# KiCad board PC110.kicad_pcb (continued)
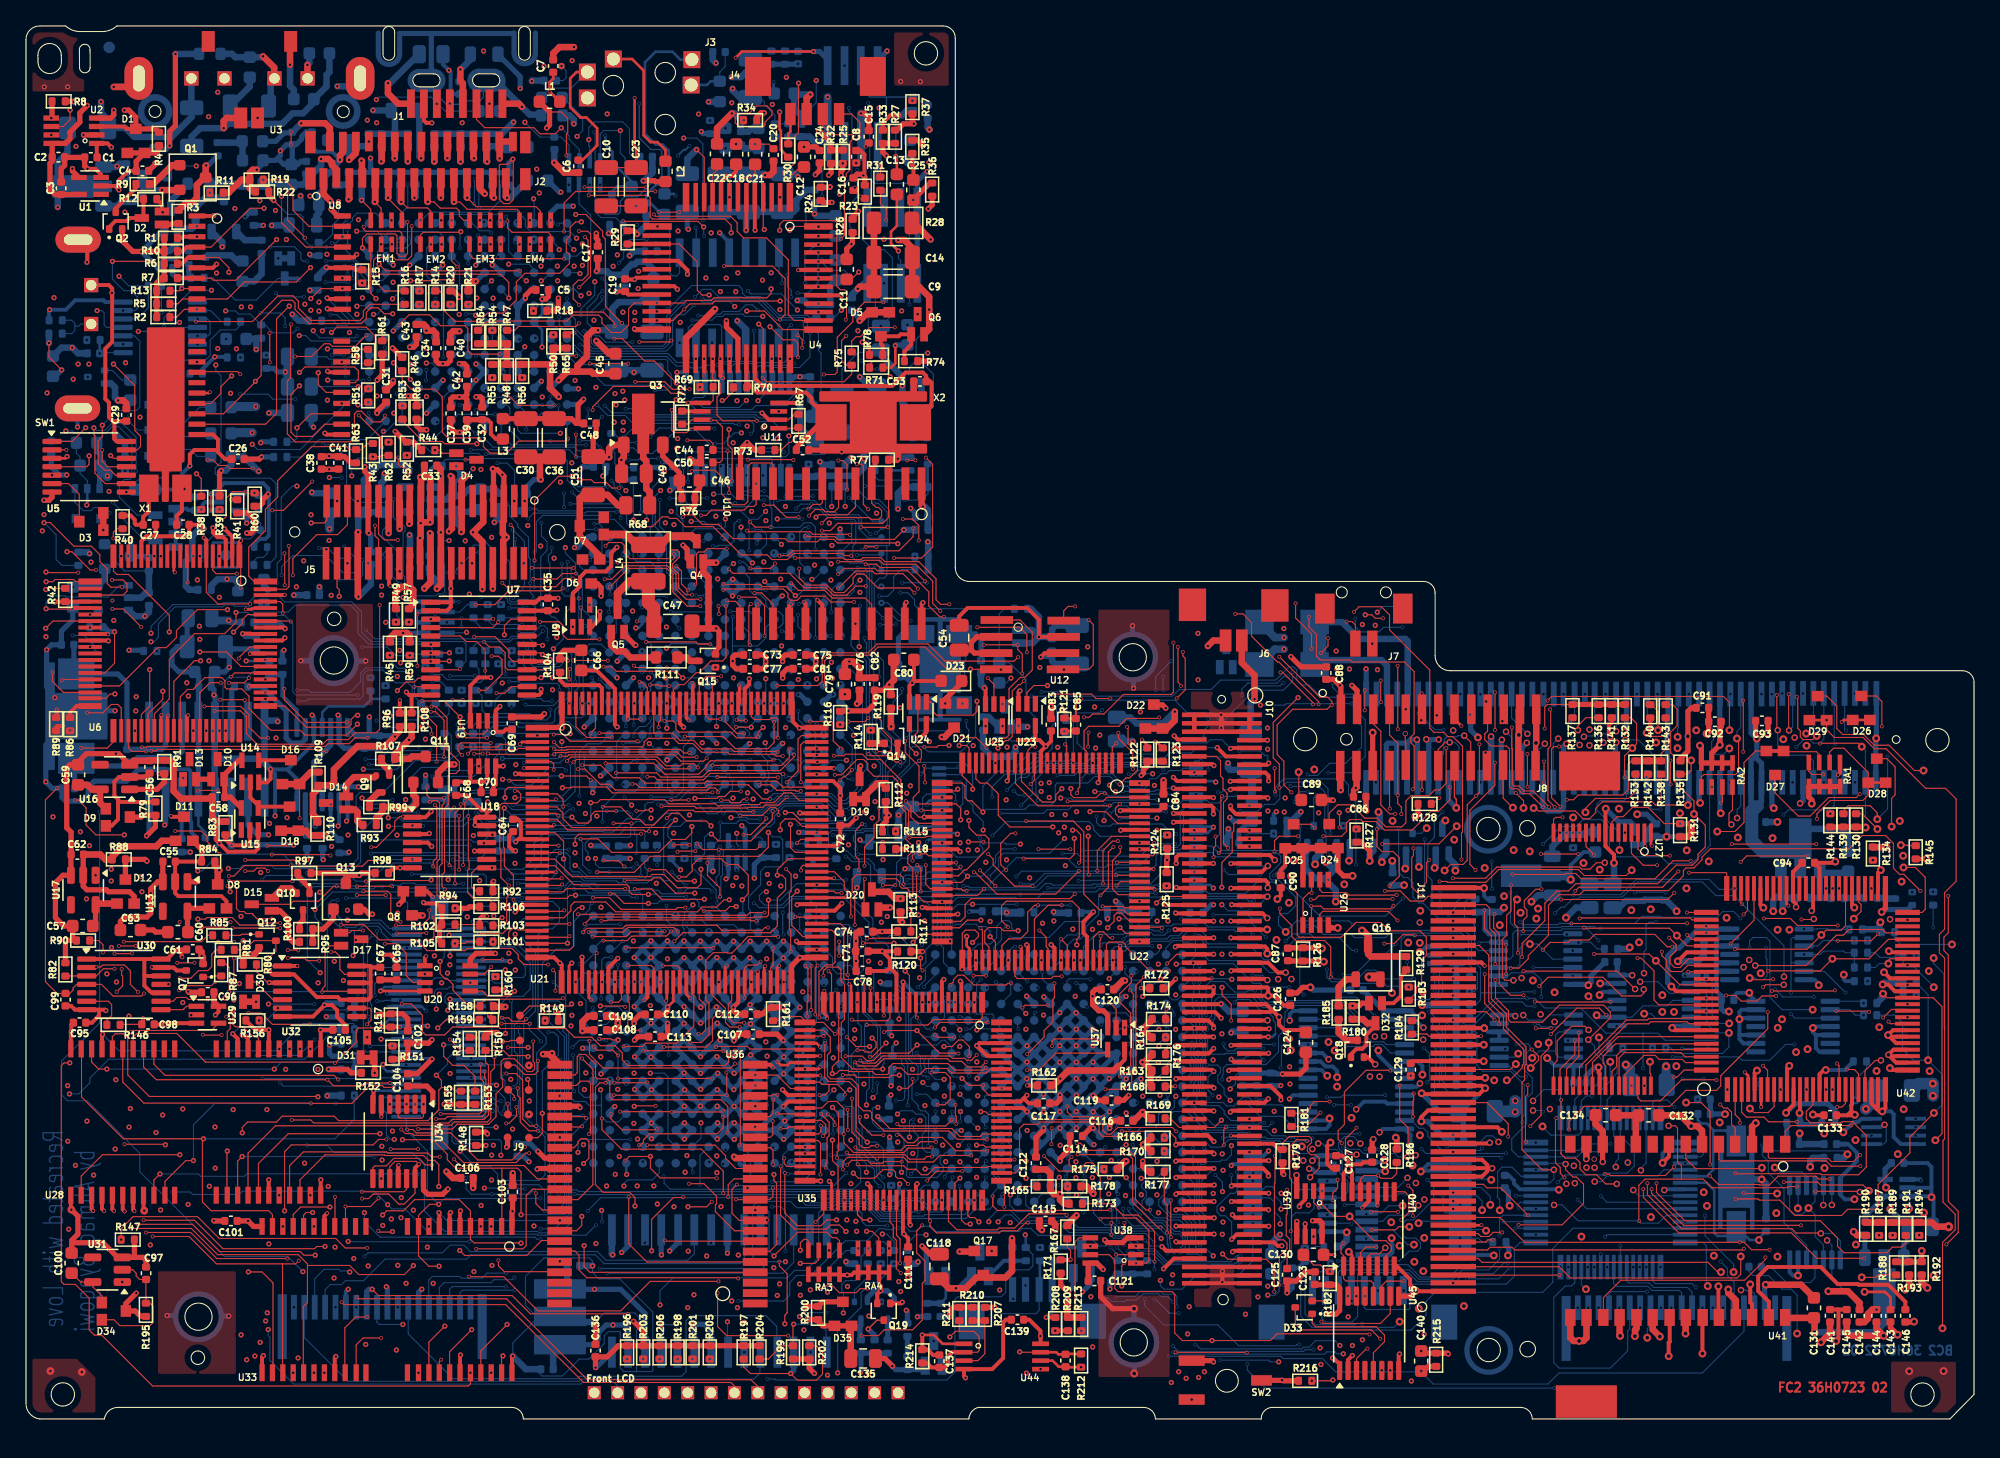
[diagram p0: board, top side]
## Routing (per net, layer and track width the routed paths; a pad name or vN(x,y) marks a point on that pad's centre or on a via; arc(x,y) is an arc through that point) (continued)
  BC2 w0.08: v7(26.6,47.7) v7(28.23,47.7) ; v7(27.96,58.5) 27.99,58.5 28.64,57.85 29.27,57.85 v7(30.01,58.59)
  BC2 w0.3: C203.2 79.04,58.74 79.01,58.71 v1(78.16,58.71)
  BC2 w0.4: J13.21 126.48,52.81 126.38,52.71 126.38,51.6 126.43,51.55 J13.80 126.45,49.04 126.45,44.95 v2(126.37,44.87) ; v2(126.37,44.87) 125.6,44.87 C235.1 ; v2(126.37,44.87) 127.4,44.87 C237.1
  BC2 w0.5: v1(69.08,70.31) 69.21,70.31 69.46,70.06 C205.1 69.46,68.55 R244.1 ; R245.1 R243.1 69.33,77.15 68.6,77.88 67.93,77.88 67.51,78.3 v1(67.51,79.62) 67.51,80.31 65.85,81.97 R256.2 ; C204.2 79.26,58.19 79.04,58.4 C203.2
PNET3: length 70.5
  FC2 w0.4: D35.2 61.36,9.03 R200.2 60.08,8.68 v1(60.04,8.64) ; v1(43.87,3.96) C136.1 44.77,4.79 45.62,5.64 R196.2 R203.2 ; R204.2 R197.2 R205.2 R201.2 R198.2 R206.2 R203.2 ; R203.2 47.54,6.77 v1(46.79,7.52)
  FC2 w0.5: Q8.2 29.76,38.8 v1(30.55,38.8)
  IC2 w0.5: v1(30.55,38.8) 29.72,37.97 29.72,27.07 29.24,26.59 26.43,26.59 ; 26.43,26.59 26.13,26.29 ; 26.43,26.59 25.95,26.11 25.95,20.23 27.12,19.06 28.98,19.06 29.81,19.89 32.82,19.89 33.42,19.29 33.42,17.11 36.18,14.35 38.56,14.35 38.93,13.98 40.92,13.98 42.27,12.63 45.17,12.63 v1(45.19,12.65)
  BC2 w0.4: 45.13,5.17 43.92,3.96 v1(43.87,3.96)
  BC2 w0.5: v1(45.19,12.65) 45.13,12.71 U75.1
PNET4: length 16.8
  FC2 w0.4: J5.4 36.01,73.16 36.31,73.16 v1(36.7,72.77) 36.81,72.66 J5.3 ; v1(44.3,63.42) 44.3,64.08 44,64.39 D6.2
  FC2 w0.5: J5.3 36.81,69.22 36.73,69.14 36.73,68.23 v1(37.02,67.94) 36.76,67.68 J5.38 ; v1(35.96,73.21) 36.01,73.16
  BC2 w0.6: v1(96.9,59.32) 96.19,59.32 D55.1 ; v1(96.9,60.22) 96.2,60.22 D39.1
  vias: v1(96.89,60.91)
PNET5: length 501.2
  FC2 w0.08: R47.1 37.04,82.85 37.02,82.87
  FC2 w0.3: D25.3 97,42.66 96.65,42.31 C90.2 ; v1(84.3,46.88) 84.32,46.9 U22.96 87.32,46.9 C84.1 ; U4.20 47.01,87.95 v1(46.87,87.81) 46.19,87.81 C19.2 ; 38.6,62.94 39.27,62.94 39.58,63.25 C35.2 40.97,63.25 v1(40.98,63.24)
  FC2 w0.4: D12.2 R88.2 9.19,43.12 v1(9.32,42.99) ; R39.2 14.91,72.95 v1(15.04,73.08) ; D25.1 98.36,43.94 U26.8 ; R123.1 R122.1 86.37,50.32 86.08,50.03 86.08,49.78 v1(85.9,49.6) ; U34.14 30.62,17.64 30.95,17.31 32.1,17.31 v1(32.5,17.71) ; v1(36.15,35.88) 34.67,35.88 34.22,35.43 U20.8 ; R135.2 127.44,50.89 128.01,51.46 v4(128.01,52.61) 128.01,54.53 128.28,54.8 C91.1 ; Q8.1 29.06,40.66 29.06,39.99 v1(28.72,39.65) ; R125.2 87.86,43.04 v1(87.9,43.08) R124.1 ; 101.05,44 101.05,42.28 101.48,41.85 v2(102.18,41.85) ; 144.05,12.1 146.02,12.1 v2(146.02,12.95)
  FC2 w0.5: R65.1 R50.1 40.62,81.63 40.61,81.62 40.61,81.33 40.55,81.27 ; 30.7,72.58 31.04,72.58 31.16,72.46 J5.10 31.16,69.13 v1(31.13,69.1) 30.46,69.1 v1(30.4,69.04) ; 30.7,72.58 v1(30.37,72.58) 30.43,72.52 30.43,70.76 J5.11 30.41,69.05 v1(30.4,69.04) ; 30.7,72.58 30.7,72.86 30.69,72.87 C33.1 ; C120.1 83.81,33.1 84.49,33.78 v1(84.65,33.78) ; v1(30.4,69.04) 30.4,67.93 v1(30.35,67.88) 30.35,65.95 J5.30 ; 37.02,82.87 R54.1 R64.1 ; Q1.2 11.82,94.7 v1(10.47,94.7) ; 40.55,81.27 R56.2 R48.2 ; 40.55,81.27 40.37,81.09 40.37,79.44 v1(41.04,78.77) ; U4.27 50.84,83.3 v1(53.08,85.54) ; 101.05,44 98.33,44 D25.1 D25.3 ; R48.2 37.04,82.85 ; R48.2 R55.2 ; v1(33,50.44) 32.38,50.44 31.74,49.8 Q11.2 ; 73.05,12.95 73.01,12.9 v1(71.91,12.9)
  FC2 w0.6: 104.15,34.06 Q16.2
  FC2 w0.7: v2(103.45,34.06) 104.15,34.06
  IC1 w0.5: v1(45.31,76.81) 43,76.81 v1(41.04,78.77) ; v1(28.33,77.51) 28.33,77.57 27.64,78.26 26.69,78.26 26.42,77.99 26.42,77.31 24.29,75.18 22.78,75.18 20.64,73.04 v1(17.93,73.04) 17.89,73.08 v1(15.04,73.08)
  IC2 w0.5: v1(28.72,39.65) 28.25,39.65 27.77,39.17 27.77,37.23 28.55,36.45 28.55,29.05 27.74,28.24 26.91,28.24 25.24,26.57 25.24,19.67 26.94,17.97 30.38,17.97 31.17,17.18 31.97,17.18 v1(32.5,17.71)
  IC3 w0.4: 27.72,37.79 27.72,39.39 27.98,39.65 v1(28.72,39.65) ; 27.72,37.79 28.45,37.79 29.67,36.57 34.39,36.57 35.08,35.88 v1(36.15,35.88) ; 27.72,37.79 15.99,37.79 13.72,40.06 12.25,40.06 v1(9.32,42.99)
  IC3 w0.5: v1(71.91,12.9) 71.93,12.92 84.34,12.92 85.04,12.22 89.03,12.22 90.47,10.78 90.47,8.24 91.37,7.34 95.71,7.34 98.37,10 98.37,11.71 100.26,13.6 103.6,13.6 v2(105.16,15.16)
  IC3 w0.6: v1(75.54,39.03) 75.54,39.08 74.14,40.48 71.03,40.48 70.26,41.25 65.24,41.25 64.68,41.81 62.69,41.81 61.84,42.66 55.64,42.66 v1(54.7,41.72)
  IC3 w0.7: 98.96,29.09 v4(100.34,27.71) 100.73,27.32 102.59,27.32 v4(103.52,26.39) ; 98.96,29.09 98.96,29.66 ; 98.96,29.09 98.96,29.77 98.03,30.7 v4(97.34,30.7)
  IC4 w0.08: 104.61,30.71 104.63,30.73 ; v1(53.08,85.54) 53.05,85.54
  IC4 w0.4: v2(146.02,12.95) 145.42,13.55 144.79,13.55 142.38,15.96 140.7,15.96 138.14,18.52 138.14,18.69 137.43,19.4 v2(137.43,19.42)
  IC4 w0.5: 30.37,69.29 30.94,69.29 v1(31.13,69.1) ; 30.37,69.29 30.37,69.07 v1(30.4,69.04) ; 30.37,69.29 v1(30.37,72.58) 30.3,72.65 30.3,75.54 v1(28.33,77.51) ; v1(55.14,45.72) 55.14,46.09 ; v4(104.61,29.49) 104.61,30.71 ; v1(30.35,67.88) 30.35,66.04 28.29,63.98 28.29,61.97 v1(27.71,61.39) ; 14.95,57.44 14.95,59.76
  IC4 w0.6: 54.65,42.42 54.7,42.37 v1(54.7,41.72) ; 15.24,57.15 14.95,57.44
  IC4 w0.7: 53.49,47.14 53.49,44.71 54.65,43.55 54.65,42.42 ; 53.49,47.14 53.51,47.12 54.77,47.12 55.14,46.75 55.14,46.09 ; 53.49,47.14 53.49,50.04 53.48,50.05 53.48,50.79 54.22,51.53 54.22,55.58 53.21,56.59 53.21,59.07 52.15,60.13 52.15,78.1 52.52,78.47 52.52,82 52.01,82.51 52.01,84.5 53.05,85.54 ; v2(111.84,52.52) 111.86,52.5 111.86,51.05 110.95,50.14 109.22,50.14 106.03,46.95 106.03,45.52 105.23,44.72 105.23,43.76 105.24,43.75 v2(105.24,43.01) ; 103.45,31.82 103.54,31.82 104.63,30.73 ; 103.45,31.82 103.45,30.16 103.02,29.73 103.02,27.11 103.01,27.1 103.01,26.9 v4(103.52,26.39) ; 103.45,31.82 v2(103.45,34.06)
  IC4 w0.8: 15.24,57.15 15.23,57.14 15.23,55.21 15.01,54.99 15.01,46.61 14.03,45.63 14.03,40.7 13.79,40.46 11.85,40.46 v1(9.32,42.99) ; 14.95,59.76 14.35,60.36 14.35,62.49 14.06,62.78 14.06,60.65 14.06,66.35 12.62,67.79 12.62,69.31 15.04,71.73 v1(15.04,73.08) 13.36,74.76 13.36,88.52 10.47,91.41 v1(10.47,94.7) ; v2(104.63,19.96) 105.36,19.96 105.58,19.74 105.58,18.12 105.16,17.7 v2(105.16,15.16)
  IC4 w0.9: 85.78,38.88 85.78,40.01 ; 85.78,38.88 85.78,34.91 v1(84.65,33.78) ; 85.78,38.88 84.76,39.9 v1(83.94,39.9) ; 85.78,40.01 85.78,40.95 ; 85.78,40.01 85.67,39.9 v1(83.94,39.9) ; 85.78,40.95 84.73,39.9 v1(83.94,39.9) ; 85.78,40.95 85.78,46.23 85.13,46.88 v1(84.3,46.88)
  IC4 w1: v1(85.9,49.6) 85.9,50.51 86.16,50.77 87.46,50.77 87.86,50.37 88.92,50.37 90.03,49.26 90.03,47.93 89.82,47.72 88.55,47.72 v1(88.45,47.62)
  BC2 w0.08: F2.2 142.46,24.65 ; 105.27,42.98 v2(105.24,43.01)
  BC2 w0.3: 104.57,19.9 v2(104.63,19.96) 104.45,19.79 U72.24 ; U70.30 97.6,31.45 97.34,31.19 v4(97.34,30.7) ; 106.96,30.8 107.6,30.16 v4(107.64,30.16) ; 106.96,30.8 U70.2 ; 106.96,30.8 106.96,31.13 106.64,31.45 U70.1 ; 119.2,25.93 119.2,25.93 U71.14 117.75,27.23 v2(117.17,27.81) ; v4(100.34,27.71) 99.85,28.2 U70.25 ; U60.5 55.4,45.46 v1(55.14,45.72)
  BC2 w0.4: C276.1 104.59,31.45 ; 104.59,31.45 104.59,30.84 104.64,30.79 104.65,30.8 U70.2 ; 104.59,31.45 U70.1 ; 112.25,39.07 112.38,38.94 112.38,37.69 112.68,37.39 U57.14 ; v2(111.84,52.52) 111.28,53.08 J13.40
  BC2 w0.5: R302.1 123.41,36.22 v2(123.53,36.34) ; Q24.2 8.96,94.98 9.24,94.7 ; C244.2 105.27,42.98 ; Q25.3 7.02,93.48 7.33,93.79 8.33,93.79 9.24,94.7 ; v1(15.04,73.08) 15.38,73.08 15.81,73.51 D48.1 16.78,74.18 17.92,73.04 v1(17.93,73.04) ; R306.1 111.67,39.07 C243.1 113.51,39.07 v2(113.84,39.4) ; R226.2 59.25,95.94 v1(59.46,95.73) ; v1(98.19,46.79) 97.5,46.1 R303.1 R305.1 ; R311.2 85.11,39.08 84.98,39.21 R309.1 ; v1(10.47,94.7) 9.24,94.7 ; v2(137.43,19.42) 137.43,19.91 137.64,20.12 R363.2 ; v2(115.96,39.86) 116.46,40.36 Q34.3 ; 84.31,39.34 84.31,39.53 v1(83.94,39.9)
  BC2 w0.6: R307.1 75.45,39.12 v1(75.54,39.03) 75.56,39.01 76.59,39.01 R315.2
  BC2 w0.9: v2(141.72,23.89) 141.72,23.91 142.27,24.46 ; 142.46,24.65 142.27,24.46 ; 142.27,24.46 142.27,25.16 142.44,25.33
  vias: v4(104.26,26.38) v4(120.43,51.91)
PNET6: length 18.3
  FC2 w0.4: R36.1 69.8,93.55 v1(69.5,93.25) ; R27.2 67.08,99.32 67.57,99.81 v1(68.39,99.81) 68.28,99.92 R37.1
  FC2 w0.5: v1(64.07,87.1) 64.23,87.26 C9.1 C14.1 65.32,92.17 R28.1
  BC2 w0.08: v1(64.07,87.1) 64.08,87.1
  BC2 w0.4: 64.09,87.1 v1(64.07,87.1) 64.49,87.52 U48.8
  BC2 w0.5: v1(64.07,87.1) 63.63,86.66 C149.2 ; R222.1 58.74,98.82 C151.1 60.35,98.82 60.73,98.44 U47.8
  BC2 w0.6: v1(61.75,101.87) U47.8
PNET7: length 480.7
  FC2 w0.08: v1(39.38,19.25) 39.43,19.3
  FC2 w0.3: U24.5 69.35,52.93 68.82,52.4 v1(68.8,52.4)
  FC2 w0.4: 24.73,41.89 24.64,41.8 Q13.3 ; 24.73,41.89 v1(25.66,41.89) 25.84,42.07 R98.1 ; 24.73,41.89 24.55,42.07 R97.2 ; 39.43,19.3 U36.35 ; R144.1 R139.1 R130.1 141.66,45.62 v2(141.7,45.58) ; C81.1 58.63,57.81 58.29,57.47 v1(58.29,57.1) ; v2(137.55,47.42) 137.55,47.71 137.54,47.71 137.32,47.93 137.32,47.94 RA1.5 RA1.6 RA1.7 RA1.8 ; R112.1 66.23,46.77 v1(66.48,46.52) 66.26,46.3 66.26,46.06 65.97,45.77 R115.1
  FC2 w0.5: v1(64.01,55.12) 64.2,55.31 C76.1 ; v1(39.82,28.11) 40.31,28.11 U36.25 40.53,27.89 v1(40.53,28.19)
  IC1 w0.5: v1(91.46,45.6) 92.49,45.6 v1(92.62,45.47) 92.79,45.64 92.86,45.64 ; 64.56,52.53 64.04,52.01 58.34,52.01 v1(58.29,52.06) 58.17,52.06 57.56,51.45 50.04,51.45 v1(49.38,50.79) ; 64.56,52.53 68.67,52.53 v1(68.8,52.4) 68.8,51.98 69.76,51.02 84.08,51.02 v1(85.26,52.2) ; 64.56,52.53 64.56,54.57 v1(64.01,55.12) ; v2(107.59,32.91) 107.54,32.86 v2(107.54,31.89) ; 44.82,28.43 45.15,28.43 45.23,28.51 48.48,28.51 49.72,27.27 59.13,27.27 59.69,27.83 v1(62.18,27.83) 60.35,26 49.73,26 48.52,27.21 40.13,27.21 39.88,27.46 39.88,28.05 v1(39.82,28.11) 40.45,28.11 v1(40.53,28.19) 40.68,28.19 41.66,29.17 44.08,29.17 44.82,28.43
  IC1 w0.7: v2(105.26,46.09) 104.81,45.64 92.86,45.64 ; v1(58.14,41.07) 58.14,40.59 58.02,40.47 58.02,38.76
  IC1 w0.9: 90.79,22.25 90.82,22.22 92.67,22.22
  IC1 w1: 52.26,38.28 52.29,38.28 53.43,39.42 ; 52.26,38.28 41.2,38.28 39.19,40.29 34.34,40.29 33.93,40.7 26.85,40.7 v1(25.66,41.89) ; 52.26,38.28 53.43,38.28 ; 53.43,39.42 53.43,38.28 ; 53.43,39.42 53.17,39.68 53.17,40.64 52.9,40.91 52.9,42.2 v1(52.91,42.21) ; 53.43,39.42 53.43,39.3 54.45,38.28 ; 54.45,38.28 53.43,38.28 ; 54.45,38.28 55.25,38.28 ; v1(56.1,41.67) 56.1,39.18 ; 56.1,39.18 56.1,39.13 55.25,38.28 ; 56.1,39.18 56.1,38.33 56.15,38.28 ; 56.1,39.18 57,38.28 57.11,38.28 ; v1(73.24,27.51) 69.44,27.51 69.12,27.83 v1(62.18,27.83) ; 57.11,38.28 56.15,38.28 ; 57.11,38.28 57.54,38.28 58.02,38.76 ; 56.15,38.28 55.25,38.28 ; v2(117.74,32.88) 107.62,32.88 v2(107.59,32.91) ; v2(141.7,45.58) 140.88,46.4 138.3,46.4 138.19,46.51 138.11,46.51 137.55,47.07 v2(137.55,47.42) ; v2(138.51,22) 137.62,21.11 134.5,21.11 ; v1(79.66,21.09) 80.96,21.09 81.78,20.27 82.59,20.27 84.89,22.57 86.48,22.57 86.78,22.27 90.77,22.27 90.79,22.25 ; 92.73,22.18 96.13,22.18 v1(96.16,22.21) 102.74,22.21 103.58,23.05 106.02,23.05 107.21,21.86 v2(107.37,21.86) 107.63,21.6 110.34,21.6 111.48,20.46 112.31,20.46 112.38,20.39 115.44,20.39 116.33,21.28 116.91,21.28 117.08,21.11 133.08,21.11
  IC2 w0.5: v1(62.18,27.83) 63.2,28.85 63.2,31.07 v1(65.8,33.67)
  IC4 w0.5: v1(67.3,18.11) 67.96,17.45 68.06,17.45 70.33,15.18 70.39,15.18 ; v1(68.8,52.4) 68.32,52.4 67.84,51.92 67.84,49.47 67.03,48.66 67.03,47.47 66.48,46.92 v1(66.48,46.52) ; v1(63.16,12.12) 68.69,12.12 v1(68.71,12.1)
  IC4 w0.7: 71.52,14.05 70.39,14.05 ; 71.52,14.05 70.39,12.92 70.39,12.66 ; 71.52,14.05 70.39,15.18 ; 71.52,14.05 73.04,14.05 76.38,10.71 83.21,10.71 83.49,10.43 v1(83.49,10.01)
  IC4 w1: 75.38,20.06 75.38,22.04 ; 75.38,20.06 75.38,18.42 73.2,16.24 71.45,16.24 70.39,15.18 70.39,12.66 69.83,12.1 v1(68.71,12.1) ; 75.38,20.06 75.38,20.14 76.33,21.09 ; 75.38,22.04 75.38,26.87 74.74,27.51 v1(73.24,27.51) ; 75.38,22.04 76.33,21.09 ; v1(25.66,41.89) 25.88,42.11 v1(25.88,47.85) ; v2(117.74,32.88) 117.74,37.75 v2(118.62,38.63) ; v1(79.66,21.09) 76.33,21.09 ; v2(107.37,21.86) 108.27,21.86 109.1,22.69 109.1,32.17 108.36,32.91 v2(107.59,32.91) ; v1(92.62,45.47) 92.62,44.67 94.13,43.16 94.13,32.86 94.64,32.35 94.64,27.73 94.83,27.54 94.83,23.02 95.64,22.21 v1(96.16,22.21) ; v2(141.7,45.58) 141.7,42.96 139.65,40.91 139.65,38.11 140.07,37.69 140.07,25.64 140.08,25.63 140.08,24.52 138.51,22.95 v2(138.51,22) ; v1(58.29,57.1) 57.68,56.49 57.68,55.26 57.58,55.16 57.62,55.12 57.62,52.73 v1(58.29,52.06) 58.29,47.89 56.17,45.77 56.17,45.44 56.05,45.32 56.05,41.72 v1(56.1,41.67) 56.1,39.49 57.47,38.12 59.52,38.12 61.09,36.55 61.09,28.92 v1(62.18,27.83)
  BC2 w0.2: U59.30 91.41,45.65 v1(91.46,45.6) 91.01,45.15 U59.31
  BC2 w0.3: v2(140.02,34.24) 140.02,33.87 140.15,33.74 R365.2 ; R396.1 66.82,16.98 67.24,17.4 67.24,18.05 v1(67.3,18.11)
  BC2 w0.4: v1(58.29,52.06) 58.25,52.06 57.64,51.45 ; U58.5 110.17,35.04 R304.2 ; v1(65.8,33.67) 65.93,33.54 R325.1 ; v1(56.1,41.67) 56.1,42.72 56.64,43.26 R316.1 R323.1 ; R389.1 R387.1 R384.1 83.49,10.61 v1(83.49,10.01) ; C282.1 38.32,20.24 v1(38.74,19.82)
  BC2 w0.5: R300.1 119.39,39.41 v2(118.62,38.63) ; v1(52.91,42.21) 52.76,42.36 R319.1 ; R394.1 63.32,11.96 v1(63.16,12.12) ; v2(107.54,31.89) 110.11,31.89 R377.2 ; v1(92.62,45.47) 92.62,44.93 92.46,44.77 C249.2 ; R377.2 R381.2 R304.2 ; R377.2 R378.2 R373.2 R374.2 R376.2 R375.2 R380.2 ; v1(49.38,50.79) 49.38,50.81 50.02,51.45 ; v1(85.26,52.2) 85.22,52.24 84.04,52.24 R313.1 ; R391.1 68.57,11.96 v1(68.71,12.1)
PNET8: length 17.9
  FC2 w0.3: U44.8 78.15,6.38 v1(78.14,6.39) 78.14,6.79 77.28,7.65 C139.2
  FC2 w0.4: R171.1 79.7,10.34 80.18,9.86 v1(80.31,9.86)
  FC2 w0.5: 74.41,10.9 75.45,10.9 75.95,11.4 v1(75.95,13.93) ; 74.41,10.9 73.21,10.9 72.38,10.07 v1(71.63,10.07) 71.09,10.07 C118.1 ; 74.41,10.9 73.92,10.9 Q17.2
  BC2 w0.08: 75.98,13.9 v1(75.95,13.93)
  BC2 w0.4: R385.2 75.98,13.9 ; v1(80.31,9.86) 80.67,10.22 Q39.1
  BC2 w0.5: v1(71.63,10.07) 71.9,10.07 Q40.1
PNET9: length 28.3
  FC2 w0.3: J10.104 91.46,33.26 v1(91.47,33.27) 91.47,32.79 91.29,32.61 J10.105 ; R172.2 87.84,33.19 v1(88.55,33.9)
  FC2 w0.5: R175.2 84.68,19.87 v1(84.75,19.87) ; R166.1 86.13,21.14 v1(86.04,21.14) 86.16,21.14 R170.1 ; 85.26,22.97 85.33,22.97 ; R169.1 86.51,23.16 86.02,23.65 v1(86.01,23.65) 85.34,22.98 C116.1 ; v1(82.21,17.34) 82.21,17.4 81.69,17.92 R178.2
  IC2 w0.5: v1(86.01,23.65) 86.63,24.27 86.63,25.45 v1(85.88,26.2)
  IC4 w0.5: v1(84.75,19.87) 84.73,19.87 84.18,19.32 84.18,19.13 84.06,19.01 84.06,18.7 84.07,18.69 84.07,18.04 84.04,18.01 82.82,18.01 82.62,17.81 82.62,17.75 v1(82.21,17.34) ; v1(97.36,25.81) 97.31,25.76 v1(97.31,24.66)
  IC4 w0.7: v1(96.65,25.69) 96.77,25.81 v1(97.36,25.81) ; v1(86.04,21.14) 86.02,21.14 v1(84.75,19.87)
  BC2 w0.3: U70.20 97.6,24.95 v1(97.31,24.66)
  BC2 w0.4: C278.2 C279.1 94.82,25.64 R379.2 96.29,25.64 96.34,25.69 v1(96.65,25.69) ; U74.E10 82.14,21.14 v1(82.26,21.14)
  BC2 w0.5: v1(85.88,26.2) 85.82,26.2 85.27,25.65
PNET10: length 58.4
  FC2 w0.08: v2(99.97,35.24) 99.92,35.29 ; R174.1 86.75,30.77
  FC2 w0.3: C126.1 96.89,31.87 96.14,32.62 v2(95.68,32.62) ; v2(95.68,32.62) 95.67,32.61 J10.35 ; v2(95.68,32.62) 95.68,33.18 95.6,33.26 J10.34
  FC2 w0.4: 99.92,35.29 R126.1 97.23,35.29 C87.1 ; v1(84.93,24.93) 84.55,24.55 C119.1 ; v1(96.88,18.84) 96.79,18.93 R179.1
  FC2 w0.5: R176.1 86.14,27.49 v1(86,27.49) 86.08,27.49 R163.1 86.73,26.65 86.62,26.54 86.62,25.71 R168.1 ; 86.75,30.77 v1(86.01,30.03) 86.01,30.02 86.63,29.4 R164.1
  IC1 w0.8: v2(97.42,28.41) 97.42,27.23 v1(97.33,27.14)
  IC1 w1: v1(77.08,32.58) 77.08,33.63 77.18,33.73 82.2,33.73 83.37,32.56 v1(84.73,32.56)
  IC3 w0.5: v4(107.37,25.86) 106.38,25.86 105.27,24.75
  IC3 w0.7: v1(97.33,27.14) 97.93,27.14 98.45,26.62 98.45,25.77 99.8,24.42 101.18,24.42 101.44,24.68 101.83,24.68 101.84,24.69 105.21,24.69 105.27,24.75
  IC4 w0.08: 98.33,27.14 98.65,27.46 ; v1(96.88,18.84) 96.89,18.85
  IC4 w0.5: v1(84.93,24.93) 84.12,25.74 84.12,27.06 84.55,27.49 v1(86,27.49)
  IC4 w0.7: v1(97.33,27.14) 98.33,27.14
  IC4 w1: 97.42,28.39 97.72,28.39 98.65,27.46 98.65,22.82 96.89,21.06 96.89,18.85
  BC2 w0.3: v4(107.37,25.86) 107.11,25.6 U70.10
  BC2 w0.4: v1(84.73,32.56) 84.56,32.56 84,32 ; v1(77.08,32.58) 77.08,32.57 77.65,32
PNET12: length 57.4
  FC2 w0.08: 136.14,40.85 136.15,40.86 ; 137.7,23.4 v2(137.64,23.46)
  FC2 w0.3: v2(121.68,47.03) 121.66,47.01 121.66,44.14 122.32,43.48 v2(122.32,42.85) ; v4(136.34,39.45) 136.34,39.68 136.1,39.92 U42.65 136.1,42.15 C94.1 ; C133.1 137.7,23.4 ; v2(133.33,26.85) 133.15,26.67 U42.5 ; v2(126.74,33.32) 127.1,32.96 129.43,32.96 ; 144.93,32.96 143.96,32.96 143.44,33.48 v2(143.01,33.48) ; U42.56 140.65,39.59 v2(140.83,39.41) ; U42.15 138.15,26.56 138.48,26.89 v2(138.63,26.89)
  FC2 w0.5: v2(143.31,44.06) 142.28,44.06 R134.2
  IC3 w0.5: v4(143.58,38.51) 143.94,38.87 143.94,40.42 143.69,40.67 143.69,42.69 143.31,43.07 v2(143.31,44.06)
  BC2 w0.08: 143.17,17.83 v2(143.27,17.83) ; 114.71,23.67 v4(114.7,23.66)
  BC2 w0.3: v2(143.27,17.83) 143.2,17.9 U65.5 ; U68.14 132.74,32.7 v2(132.74,32.84) 131.8,32.84 131.56,32.6 131.56,32.28 ; v2(138.63,26.89) 140.09,26.89 R369.1
  BC2 w0.4: U65.5 143.2,19.25 143.68,19.72 ; v2(143.6,16.17) 144.96,14.81 144.96,14.81 144.98,14.79 144.98,13.78 144.64,13.44 Q37.3 ; U56.14 129.38,37.75 129.24,37.62 128.68,37.62 127.35,36.29 127.06,36.29 126.45,35.68 126.45,33.61 v2(126.74,33.32) ; v2(121.68,47.03) 122.68,46.03 123.56,46.03 123.85,45.74 C241.2
  BC2 w0.5: v2(143.01,33.48) 143.14,33.61 R360.2 R361.2 ; v4(114.7,23.66) 114.65,23.71 ; R300.2 120.44,41.22 R292.2 122.32,41.33 v2(122.32,42.85)
  BC2 w0.9: 114.65,23.71 F4.1 ; v4(114.71,24.51) 114.71,23.67
PS2_L1_Pluto: length 108.8
  FC2 w0.08: U35.30 59.95,28.51 55.76,28.51 55.56,28.71 53.19,28.71 v3(53.15,28.67) ; v3(42.36,75.86) 42.36,74.17 v3(42.38,74.15) ; v3(52.94,36.29) 52.92,36.31 v3(46.2,36.31) ; 40.33,100.72 41.24,100.72 41.73,100.23 41.73,99.1 41.63,99 v3(41.63,97.37)
  FC2 w0.4: v1(40.11,99.49) 40.33,99.71 40.33,100.72 L1.1
  FC1 w0.08: v3(41.63,97.37) 42.45,97.37 44.03,95.79 44.03,91.87 44.39,91.51 44.39,90.61 44.61,90.39 44.61,82.84 44.37,82.6 44.37,77.9 42.36,75.89 v3(42.36,75.86) ; v3(52.94,36.29) 52.94,35.94 52.82,35.82 52.82,29 v3(53.15,28.67) ; v3(46.2,36.31) 45.74,36.77 45.74,52.45 45.1,53.09 45.1,58.62 44.93,58.79 44.22,58.79 43.68,59.33 43.68,62.06 43.77,62.15 43.77,62.83 42.16,64.44 42,64.44 41.83,64.61 41.83,65.69 43.35,67.21 43.35,73.69 42.89,74.15 v3(42.38,74.15)
  BC1 w0.08: 40.12,99.5 v1(40.11,99.49)
  BC1 w0.1: v7(43.78,99.18) 42.79,99.18 42.67,99.3 41.91,99.3 41.48,98.87 40.75,98.87 40.12,99.5
  BC2 w0.08: v7(43.78,99.18) 43.84,99.12 43.84,93.04 44.3,92.58 45.42,92.58 R228.2
PSU_AUX_SW1: length 48.6
  FC2 w0.08: v1(1.53,63.92) 1.62,64.01 R42.1 ; J5.28 28.79,65.91 v3(28.79,65.32) ; v1(4.6,76.39) 3.54,75.33 U5.1
  FC1 w0.08: v1(20.83,64.13) 21.52,64.82 27.9,64.82 28.4,65.32 v3(28.79,65.32)
  IC3 w0.08: v1(1.53,63.92) 9.91,63.92 11.9,65.91 19.05,65.91 v1(20.83,64.13)
  BC1 w0.08: v1(1.53,63.92) 1.8,63.92 2.2,64.32 2.2,74.4 3.03,75.23 3.44,75.23 v1(4.6,76.39)
PWRGD: length 235.1
  FC2 w0.08: v3(45.05,23.5) 45.05,23.14 45.91,22.28 48.55,22.28 v3(48.61,22.34) ; v3(33.43,57.81) 33.36,57.74 U7.9 ; v1(84.4,10.24) 84.4,11.81 v3(84.6,12.01) ; v3(35.86,58.78) 36.4,58.78 36.67,58.51 36.67,57.4 35.42,56.15 v3(34.88,56.15) ; v3(37.78,24.02) 37.78,23.35 37.2,22.77 v3(36.99,22.77) ; v3(32.62,42.67) 32.62,46.75 v3(32.98,47.11) ; v3(47.32,29.95) 46.53,29.95 46.36,30.12 46.36,31.18 46.48,31.3 46.48,32.08 46.36,32.19 U21.47 ; v3(77.18,15.13) 77,15.13 76.37,14.5 75.14,14.5 74.98,14.34 70.13,14.34 69.63,14.84 69.63,14.88 69.64,14.89 v3(69.64,15.25) 69.55,15.34 U35.67 ; D20.2 64.55,39.37 64.55,41.55 v3(64.61,41.61) ; U22.56 74.67,36.76 v1(74.26,37.17)
  FC1 w0.08: v3(35.86,58.78) 35.85,58.77 34.39,58.77 v3(33.43,57.81) ; v3(34.88,56.15) v3(34.88,50.3) 34.88,48.28 33.6,47 33.09,47 v3(32.98,47.11) ; v1(67.7,42.4) 65.46,42.4 64.67,41.61 v3(64.61,41.61) ; v3(69.64,15.25) 68.82,15.25 68.25,15.82 68.25,18.2 v1(67.44,19.01) ; v3(36.99,22.77) 36.99,23 36.84,23.15 35.11,23.15 34.37,23.89 34.37,29.76 34.48,29.87 34.48,31.86 34.92,32.3 34.92,34.31 34.48,34.75 34.48,37.76 34.84,38.12 34.84,39.22 34.5,39.56 34.5,42.43 33.87,43.06 33.27,43.06 32.88,42.67 v3(32.62,42.67) ; v3(37.78,24.02) 37.78,23.85 38.6,23.03 41.13,23.03 41.6,23.5 v3(45.05,23.5) ; v3(47.32,29.95) 47.32,29.36 48.6,28.08 48.6,25.21 48.2,24.81 48.2,23.4 48.61,22.99 v3(48.61,22.34) 48.61,18.72 48.36,18.47 v1(48.36,17.96) ; v3(77.18,15.13) 79.46,15.13 79.95,14.64 84.81,14.64 85.48,13.97 v3(85.48,13.31) 85.48,12.89 v3(84.6,12.01)
  IC1 w0.08: v1(67.44,19.01) 67.27,19.01 66.03,17.77 49.11,17.77 48.92,17.96 v1(48.36,17.96)
  IC2 w0.08: v1(84.4,10.24) 85.34,9.3 85.86,9.3 86.37,8.79 88.61,8.79 90.44,6.96 94.27,6.96 96.52,9.21 114.97,9.21 v2(119.81,14.05)
  IC4 w0.08: v2(121.21,32.67) 121.65,32.23 121.65,28.94 119.88,27.17 119.88,20.5 119.68,20.3 119.68,18.66 119.81,18.53 v2(119.81,14.05)
  BC1 w0.08: v7(68.71,40.95) 68.72,40.94 v7(68.72,39.94) ; v7(69.88,37.74) 70.27,38.13 v7(71.51,38.13) ; v7(67.54,20.55) 68.02,21.03 v7(69.5,21.03)
  BC2 w0.08: v7(71.51,38.13) 73.18,38.13 73.36,37.95 73.92,37.95 74.26,37.61 v1(74.26,37.17) ; v7(69.5,21.03) 69.52,21.05 69.52,23.48 69.26,23.74 68.93,23.74 68.73,23.94 68.73,24.16 68.25,24.64 68.25,25.75 68.72,26.22 68.72,27.18 68.47,27.43 68.3,27.43 67.99,27.74 67.99,32.64 67.15,33.48 67.15,35 67.47,35.32 67.89,35.32 68.28,34.93 69.05,34.93 69.31,35.19 69.31,36.16 69.88,36.73 v7(69.88,37.74) 69.88,39.28 69.22,39.94 v7(68.72,39.94) ; v1(67.7,42.4) 67.35,42.05 67.35,41.31 67.71,40.95 v7(68.71,40.95) ; v7(67.54,20.55) 67.54,20.1 67.44,20 v1(67.44,19.01)
  BC2 w0.3: v2(121.21,32.67) 121.45,32.91 U66.12
  BC2 w0.4: v1(67.7,42.4) R314.1
PWRGD_shift: length 204.1
  FC2 w0.08: v3(15.65,32.93) 15.65,34.8 15.29,35.16 R87.2 ; v3(31.18,54.5) 31.55,54.5 32.2,53.85 v3(32.2,51) ; v3(15.06,29.58) 13.66,29.58 v3(13.63,29.61) ; v1(40.56,57.12) 39.95,57.74 U7.16 37.11,57.74 36.91,57.93 36.91,59.04 36.46,59.49 35.69,59.49 v3(35.29,59.89) ; v3(31.11,47.56) 31.24,47.56 31.34,47.66 31.66,47.66 31.86,47.46 31.86,43.14 31.66,42.94 31.66,40.4 31.89,40.17 v3(32.9,40.17) ; v3(31.42,38.64) 31.42,37.14 31.16,36.88 v3(30.86,36.88)
  FC2 w0.3: U20.1 30.72,35.55 v3(30.82,35.65)
  FC1 w0.08: v3(31.42,38.64) 31.42,38.66 32.9,40.14 v3(32.9,40.17) ; v3(15.06,29.58) 15.06,31.23 14.94,31.35 14.94,32.7 15.17,32.93 v3(15.65,32.93) ; v1(34.15,63.56) 34.84,63.56 35.29,63.11 v3(35.29,59.89) 32.43,59.89 31.93,59.39 31.93,54.85 31.58,54.5 v3(31.18,54.5) ; v3(30.86,36.88) 30.86,35.69 v3(30.82,35.65) ; v1(12.49,16.53) 12.49,22.02 13.63,23.16 v3(13.63,29.61) ; v3(31.11,47.56) 31.11,48.48 31.43,48.8 31.43,50.17 31.31,50.29 31.31,50.89 31.42,51 v3(32.2,51)
  IC3 w0.08: v1(40.56,57.12) 41.24,57.12 42.31,56.05 65.8,56.05 66.04,55.81 74.59,55.81 v1(75.87,57.09)
  IC4 w0.08: v1(34.15,63.56) 34.15,61.35 34.77,60.73 34.77,49.16 36.09,47.84 36.09,42.88 35.56,42.35 35.56,37.26 35.11,36.81 35.11,25.84 35.93,25.02 38.92,25.02 40.5,23.44 40.5,5.89 38.97,4.36 22.31,4.36 20.3,6.37 18.34,6.37 17.71,7 17.71,13.17 14.35,16.53 v1(12.49,16.53)
  BC2 w0.08: C248.1 75.51,56.73 v1(75.87,57.09)
PWRGD_shift_buff: length 298.6
  FC2 w0.08: v3(32.56,40.48) 32.05,40.48 31.84,40.69 31.84,42.58 32.05,42.79 32.05,47.29 32.2,47.44 v3(32.2,47.85) 31.12,47.85 30.88,48.09 v3(30.88,48.73) ; v3(31.24,52.8) 31.24,53.2 30.28,54.16 v3(30.28,54.73) ; v3(35.84,34.83) 35.29,34.28 U20.7 ; D15.3 20.34,39.66 20.58,39.9 22.54,39.9 23.69,41.05 v3(23.94,41.05) ; v3(25.5,41.04) 25.51,41.05 v3(28.21,41.05) ; R181.2 98.53,23.56 98.92,23.95 98.92,24.14 99.24,24.46 v3(100.41,24.46) ; v1(1.52,60.93) 2.08,61.49 U6.27 ; v3(31.06,39.19) 31.06,38.6 30.49,38.03 v3(28.5,38.03)
  FC1 w0.08: v3(23.48,47.36) 23.47,47.37 23.47,54.22 23.98,54.73 v3(30.28,54.73) ; v3(32.2,47.85) 32.65,47.4 32.65,46.65 33.14,46.16 36.8,46.16 38.23,44.73 38.23,42.72 37.61,42.1 37.45,42.1 36.5,41.15 36.5,39.24 36.67,39.07 v1(36.67,38.63) 36.67,38.01 36.53,37.87 36.53,35.72 36.03,35.23 36.03,35.02 v3(35.84,34.83) 36.27,34.83 36.53,34.57 36.53,33.76 36.38,33.61 36.38,32.71 36.78,32.31 37.06,32.31 37.41,31.96 37.41,27.63 36.65,26.87 36.65,26.38 36.86,26.17 v1(37.34,26.17) ; v3(30.88,48.73) 31.23,49.08 31.23,50.04 31.1,50.17 31.1,51.05 31.24,51.19 v3(31.24,52.8) ; v3(23.94,41.05) 25.49,41.05 v3(25.5,41.04) ; v3(32.56,40.48) 31.27,39.19 v3(31.06,39.19) ; v3(28.21,41.05) 28.21,40.34 28.26,40.29 28.26,38.65 28.5,38.41 v3(28.5,38.03) ; v3(100.41,24.46) 113.81,24.46 114.3,24.95 115.53,24.95 115.98,25.4 115.98,26.01 115.31,26.68 115.31,27.6 115.53,27.82 v2(116.02,27.82)
  IC3 w0.08: 31.81,41.14 30.94,41.14 26.5,45.58 24.54,45.58 24.15,45.19 19.84,45.19 18.5,43.85 14.29,43.85 13.87,44.27 8.59,44.27 8.41,44.45 8.41,45.02 8.4,45.02 7.96,45.46 7.41,45.46 7.11,45.16 7.11,42.18 7.08,42.15 7.08,42.1 6.57,41.59 v1(6.57,41.46) ; 31.81,41.14 31.81,41.73 32.26,42.18 32.75,42.18 33.96,40.97 42.9,40.97 43.88,39.99 44.92,39.99 45.75,39.16 55.5,39.16 55.84,39.5 55.84,40.38 55.15,41.07 v1(55.14,41.07) ; 31.81,41.14 31.81,40.01 32.34,39.48 36.35,39.48 36.66,39.17 36.66,38.64 v1(36.67,38.63) ; v2(116.02,27.82) 115.15,28.69 114.2,28.69 112.65,27.14 108.18,27.14 106.44,28.88 102.71,28.88 100.09,31.5 96.43,31.5 96.11,31.18 95.28,31.18 94.59,30.49 91.83,30.49 91.7,30.62 91.32,30.62 88.75,28.05 88.49,28.05 87.32,26.88 72.78,26.88 72.22,27.44 69.55,27.44 69.39,27.6 64.67,27.6 63.89,26.82 63.89,25.33 63.88,25.32 63.88,25.28 63.6,25 41.95,25 41.39,25.55 37.96,25.55 v1(37.34,26.17)
  BC1 w0.08: v2(116.02,27.82) 116.16,27.82 116.47,27.51 116.47,26.84 116,26.37 v7(115.54,26.37) ; v1(1.52,60.93) 3.05,60.93 v7(3.6,60.38) ; v1(55.14,41.07) 55.14,41.88 v7(54.74,42.28) ; v7(5.33,59.1) 5.33,42.14 6.01,41.46 v1(6.57,41.46)
  BC2 w0.08: v7(5.33,59.1) 5.33,59.53 4.48,60.38 v7(3.6,60.38) ; U71.1 114.21,27.23 115.07,26.37 v7(115.54,26.37) ; 117.82,28.55 117.82,28.14 118.08,27.88 U71.13 ; 117.82,28.55 117.82,28.36 116.56,28.36 v2(116.02,27.82) ; 117.82,28.55 117.82,29.58 118.07,29.83 U71.10 ; U60.2 54.74,42.83 v7(54.74,42.28)
